# Altium PCB pcb.PcbDoc (part 1 of 2)
Units mil, origin at the board's own origin, x right, y up, seen from the top; angles counter-clockwise.
Board outline 1181.1 x 1968.5 mil, 4 copper layers (Top, Layer 2, Layer 3, Bottom), stack 33.234 mil thick; 97 components, 78 nets, 400 pads, 191 vias.
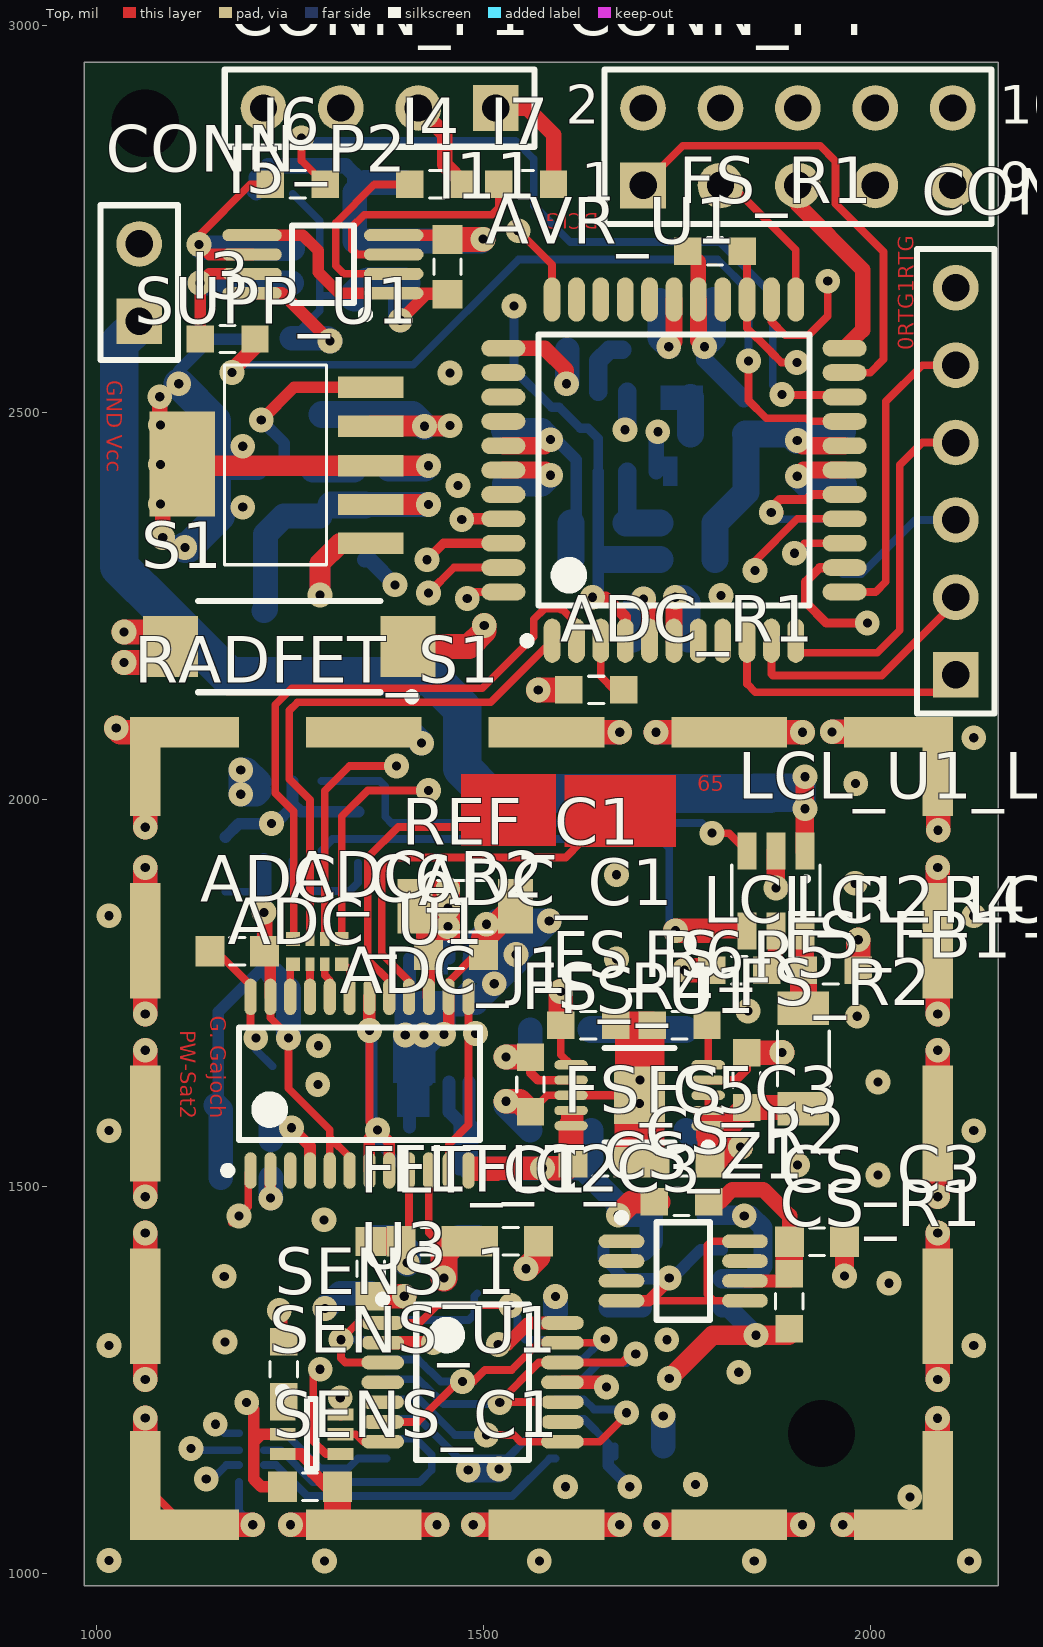
[diagram p0: Top view]
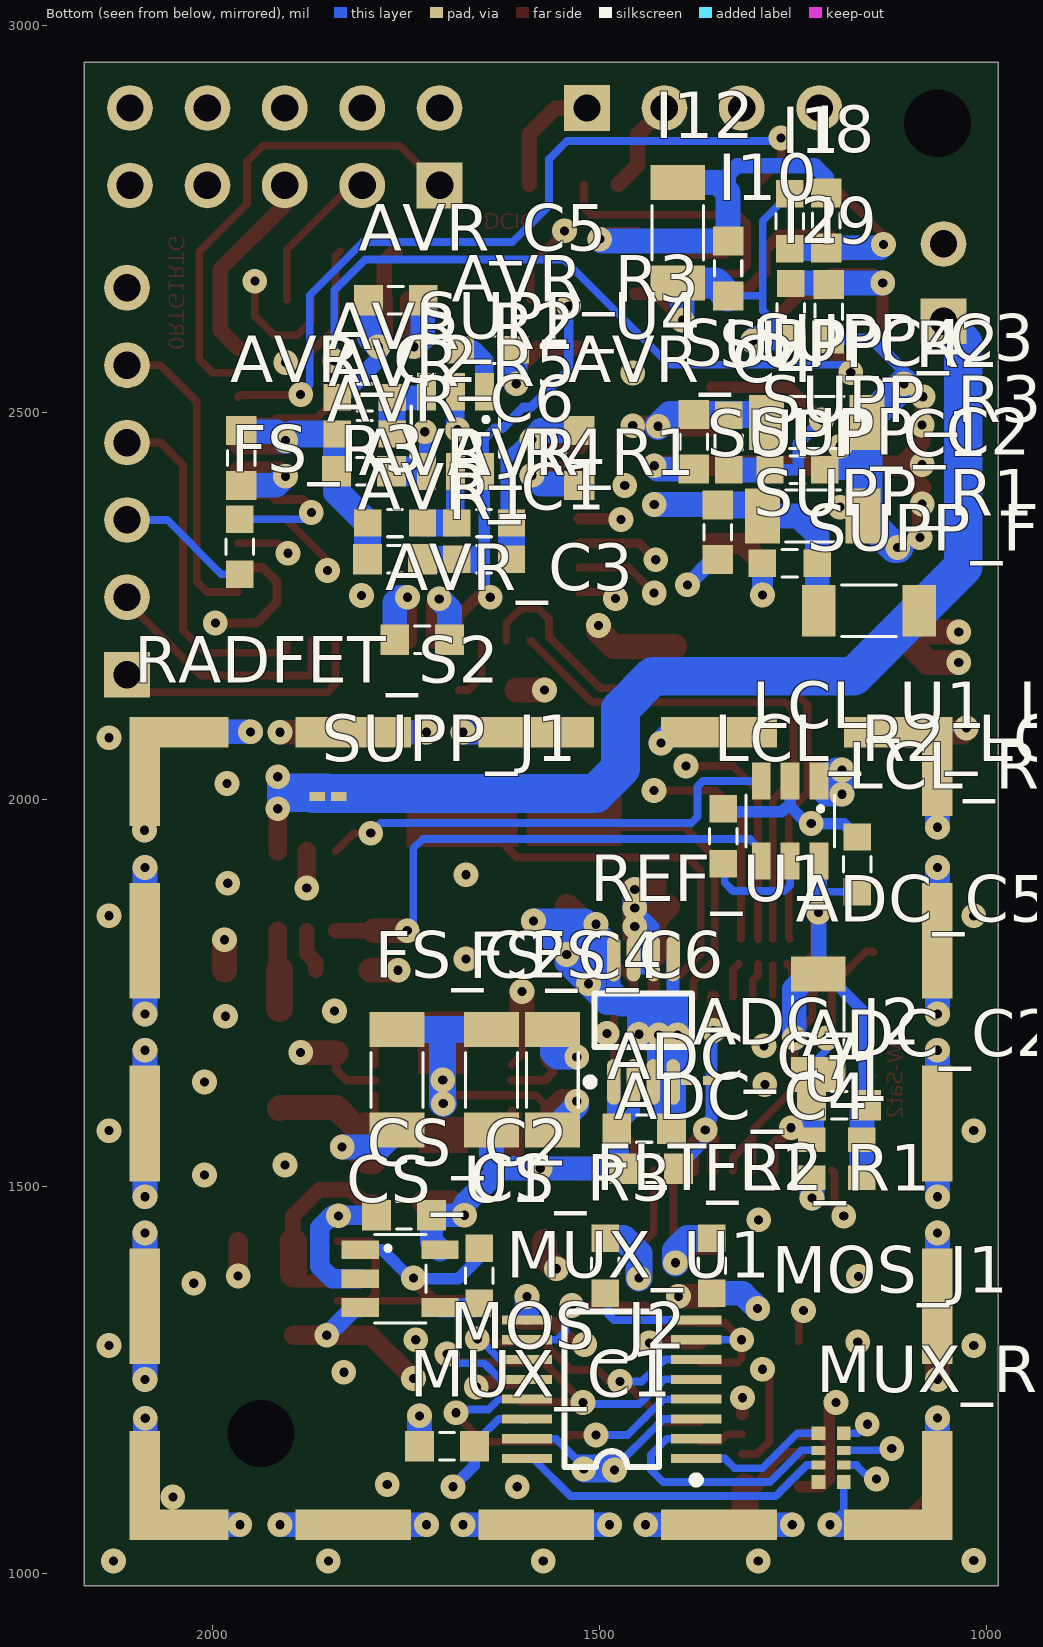
[diagram p1: Bottom view, seen from below]
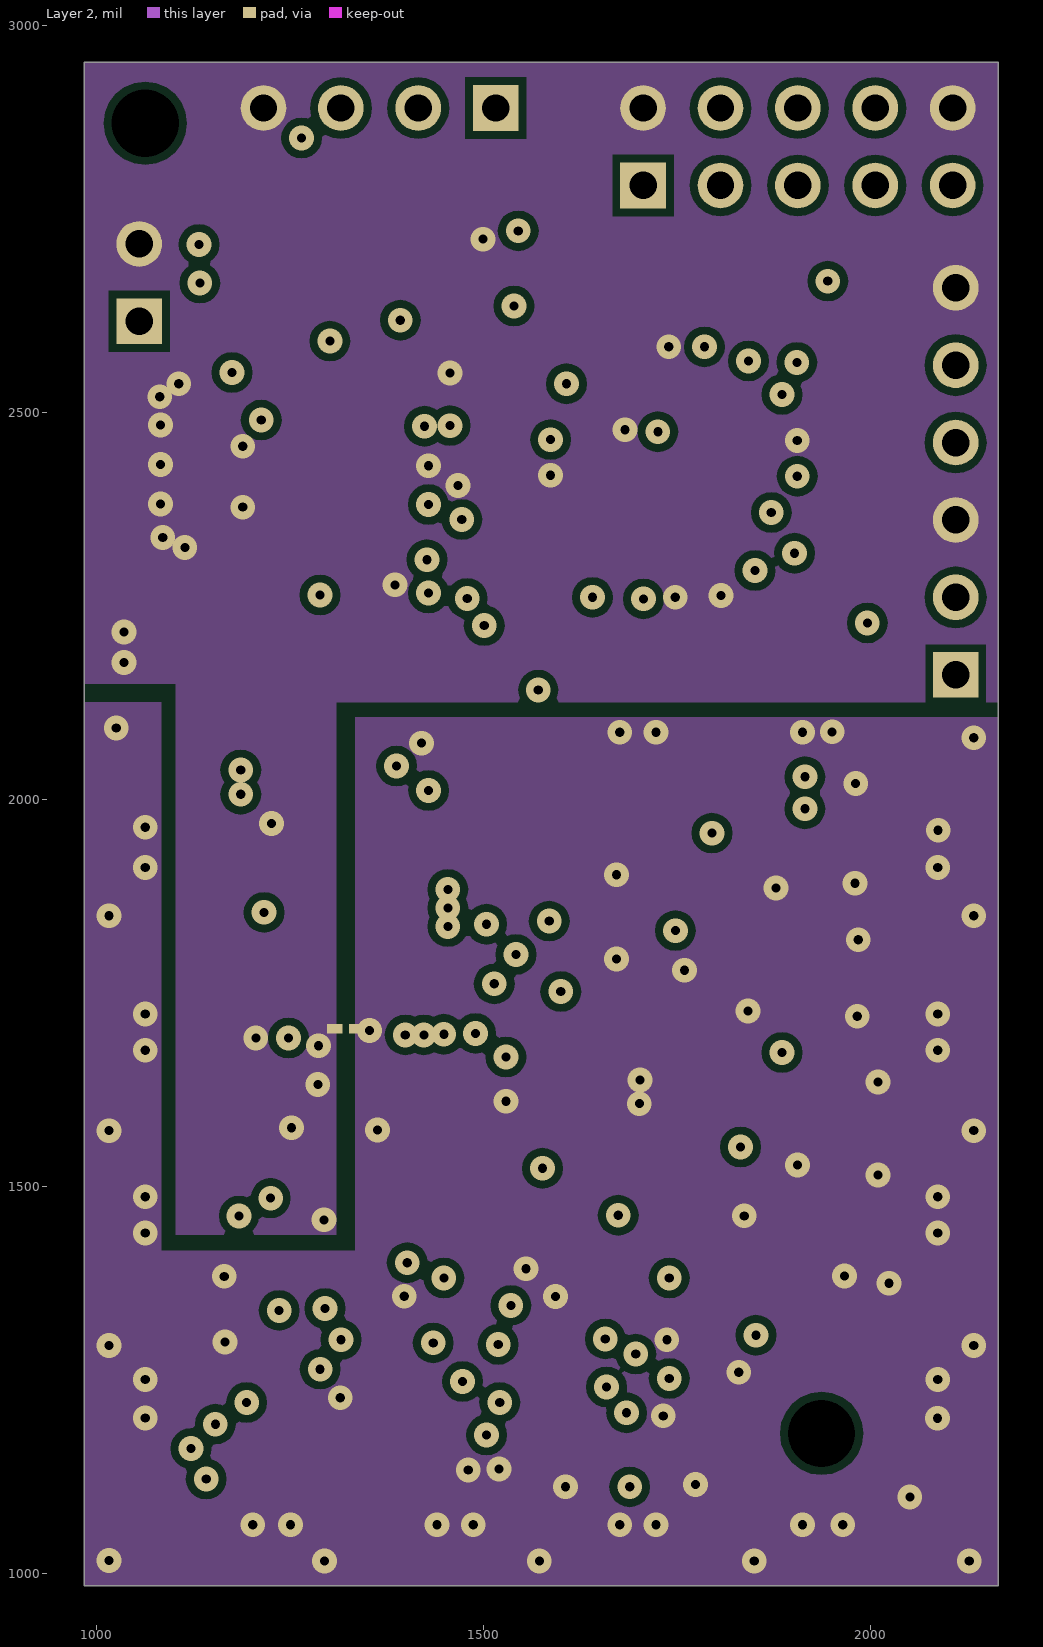
[diagram p2: Layer 2]
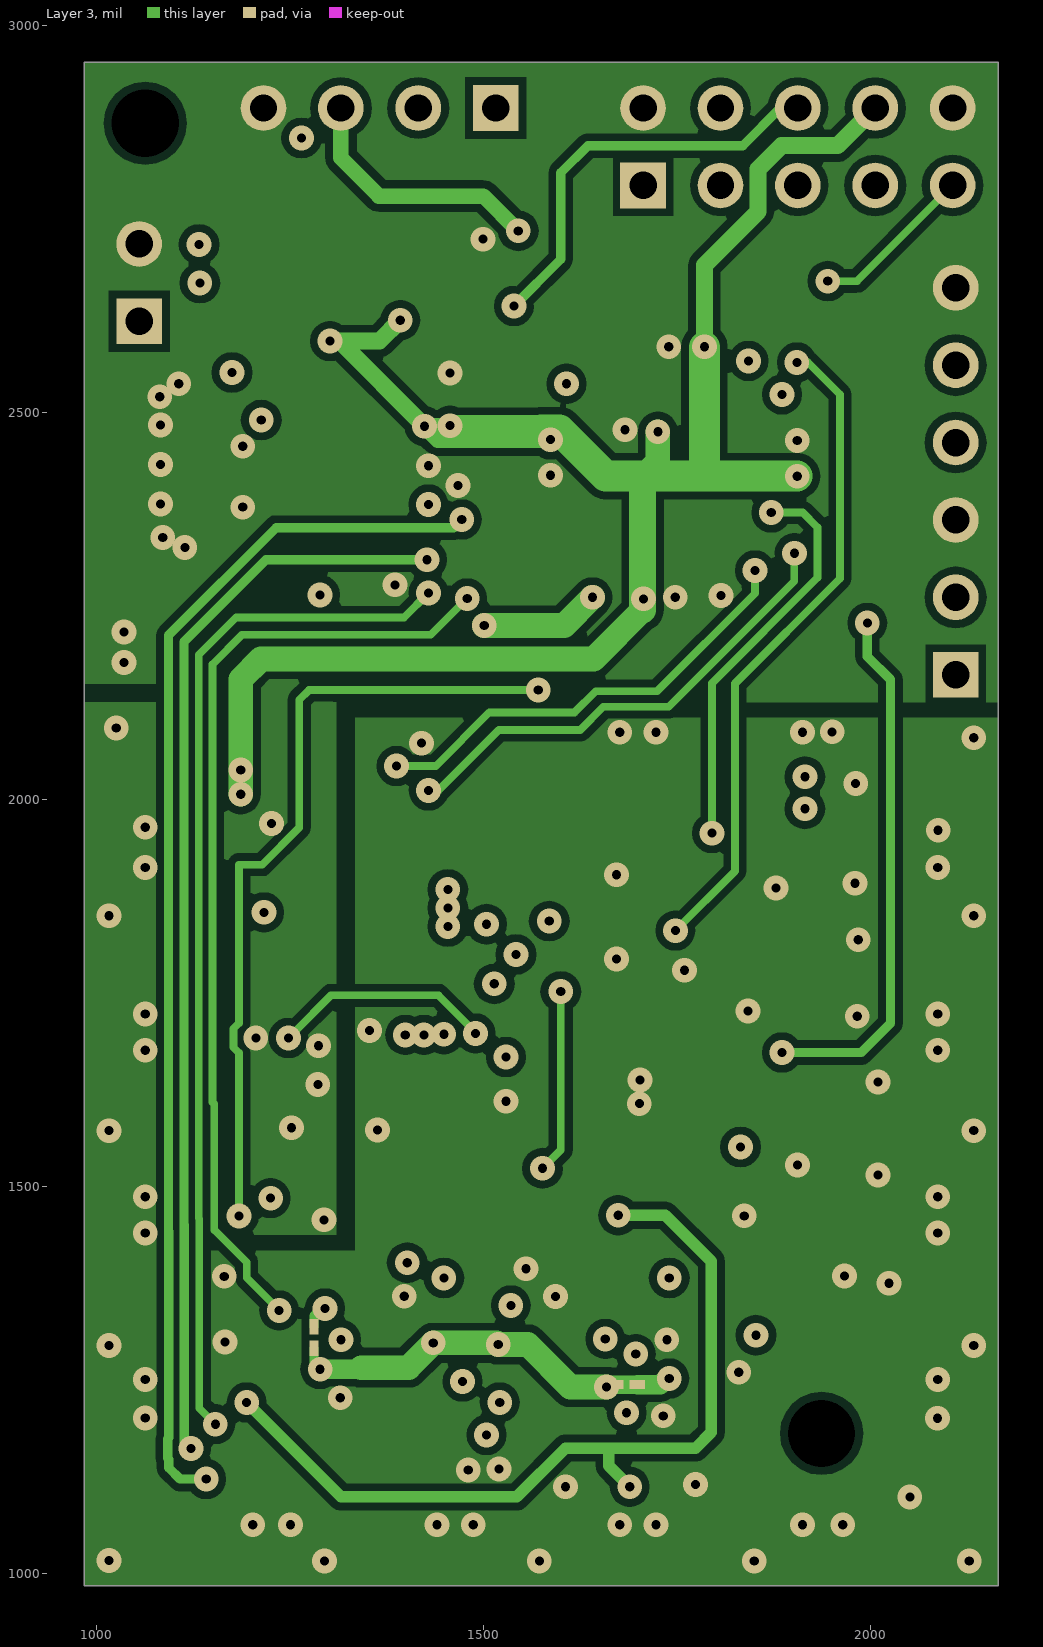
[diagram p3: Layer 3]
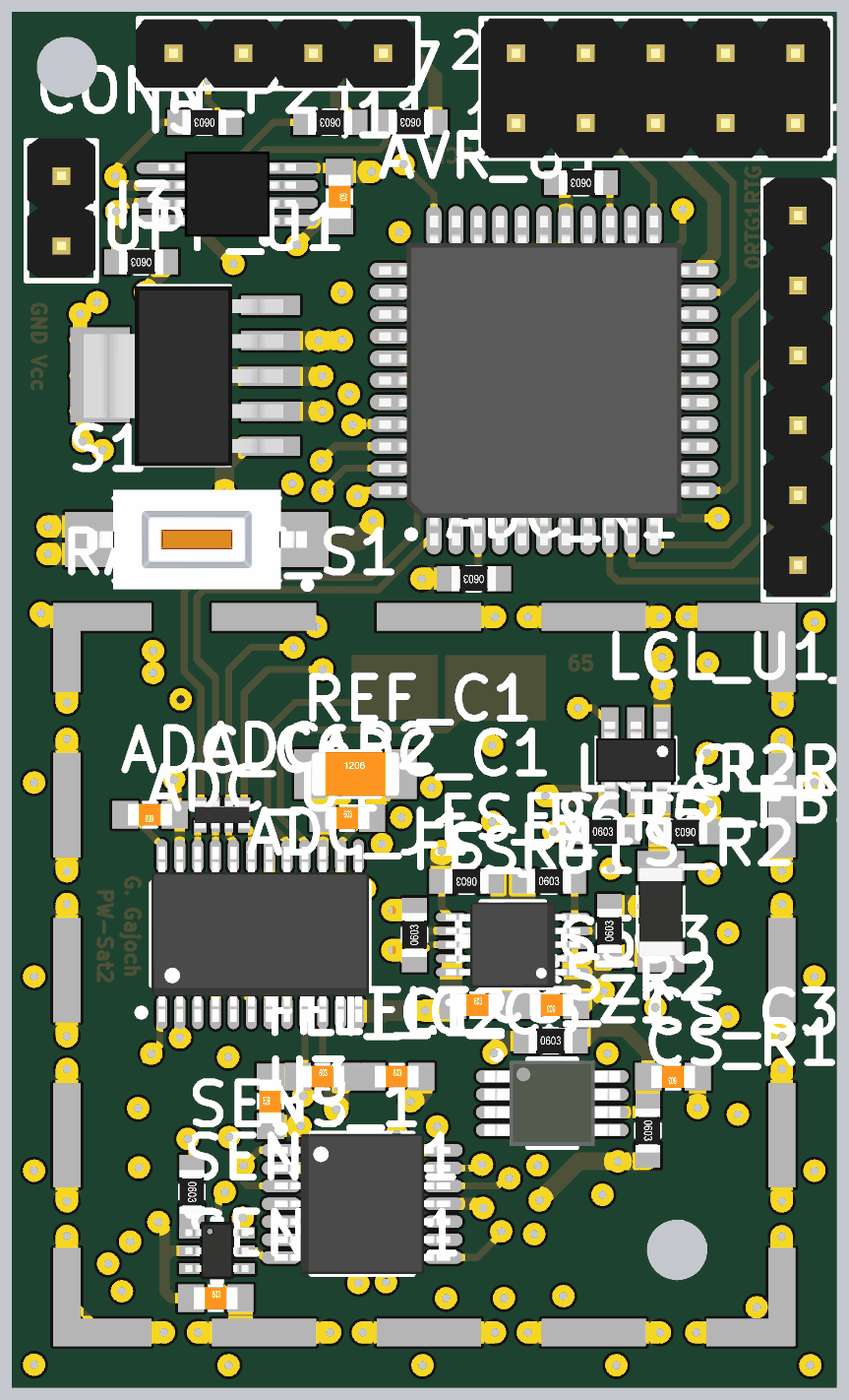
[diagram p5: 3D render of the assembled board from above, using the file's embedded part models]
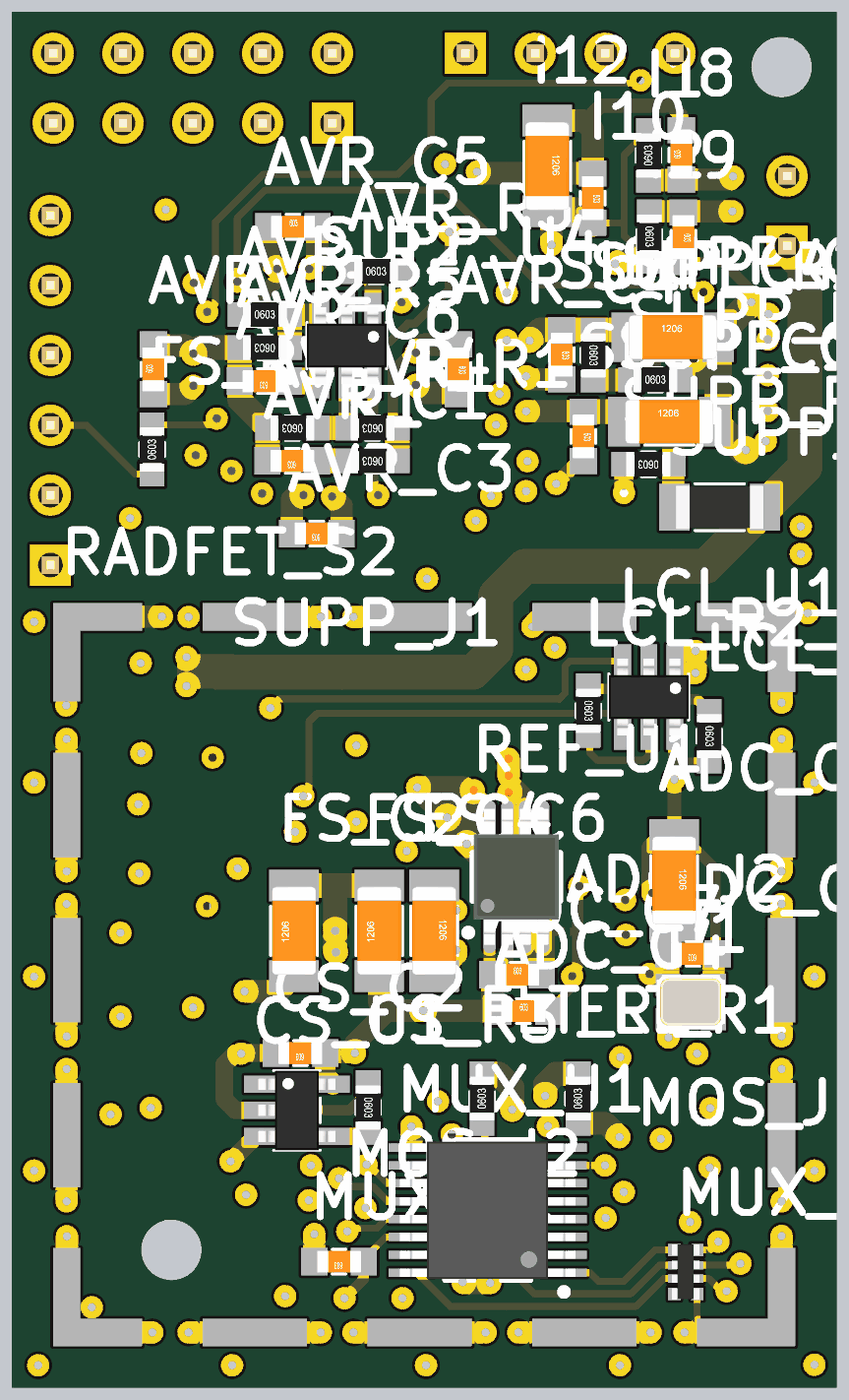
[diagram p6: 3D render of the assembled board from below, using the file's embedded part models]

## Layer stack, top to bottom
Top Solder: solder mask 0.4, Solder Resist, Dk 3.5
Top: signal copper 1.4
Dielectric 1: core 12.6, FR-4, Dk 4.8
Layer 2: signal copper 1.417
Dielectric 3: prepreg 5, Dk 4.2
Layer 3: signal copper 1.417
Dielectric 4: core 10, Dk 4.2
Bottom: signal copper 1.4
Bottom Solder: solder mask 0.4, Solder Resist, Dk 3.5

## Board outline
984.25,984.25 984.25,2952.76 2165.35,2952.76 2165.35,984.25

## Design rules (kind name [scope] priority, off if disabled: settings)
Clearance [All] p1: gap=8 except(6: SMDPad-SMDPad; 10: Arc-Poly Track-Poly SMDPad-Poly THPad-Poly Via-Poly Fill-Poly Poly-Poly Poly-Region Poly-Text)
ComponentClearance ComponentClearance_1 [HasFootprint('2way_LP')] p1: gap=0 collisioncheckmode=3 verticalgap=0 showdistances=FALSE
ComponentClearance [All] p2: gap=10 collisioncheckmode=3 verticalgap=10 showdistances=FALSE
MinimumSolderMaskSliver [All] p1 off: minsoldermaskwidth=10
PlaneConnect PlaneConnect_1 [InNet('ADC_P')] p1: planeconnectstyle=Direct reliefexpansion=20 reliefentries=4 reliefconductorwidth=10 reliefairgap=10
PlaneConnect [All] p2: planeconnectstyle=Relief reliefexpansion=20 reliefentries=4 reliefconductorwidth=10 reliefairgap=10
PolygonConnect PolygonConnect_1 [InNet('ADC_P')] p1: connectstyle=Direct reliefconductorwidth=10 reliefentries=4 polygonreliefangle="90 Angle" airgapwidth=10
PolygonConnect [All] p2: connectstyle=Direct reliefconductorwidth=10 reliefentries=4 polygonreliefangle="90 Angle" airgapwidth=10
RoutingVias [All] p1: holewidth=11.81 width=32 viastyle="Through Hole" minholewidth=11.81 minwidth=32 maxholewidth=11.81 maxwidth=32
ShortCircuit ShortCircuit_1 [IsFill] p1: allowed=TRUE
ShortCircuit [All] p2: allowed=FALSE
SilkToSilkClearance [All] p1 off: silktosilkclearance=10
SilkToSolderMaskClearance [IsPad] p1 off: minsilkscreentomaskgap=10 clearancetoexposedcopper=TRUE
SolderMaskExpansion [All] p1: expansion=4
Width [All] p1: maxlimit=100 minlimit=10 preferedwidth=100 minimp=50.000000 maximp=50.000000 favimp=50.000000
24 further rules are at their usual default settings.

## Classes and differential pairs
channel class LCL: "LCL 3V3d" "LCL 5Va"
component class "LCL 5Va": "LCL_R2_LCL 5Va" "LCL_R4_LCL 5Va" "LCL_U1_LCL 5Va"
component class "LCL 3V3d": "LCL_R2_LCL 3V3d" "LCL_R4_LCL 3V3d" "LCL_U1_LCL 3V3d"
component class RadFET: RADFET_S1 RADFET_S2
component class Filter: FLT_C1 FLT_C2 FLT_C3 FLT_C? FLT_R1 FLT_R2 FLT_R?
component class "Radfet Supply": FS_C2 FS_C3 FS_C4 FS_C5 FS_C6 FS_FB1 FS_R1 FS_R2 FS_R3 FS_R4 FS_R5 FS_R6 FS_U1
component class Supply: SUPP_C1 SUPP_C2 SUPP_C3 SUPP_C4 SUPP_FB2 SUPP_J1 SUPP_R1 SUPP_R2 SUPP_R3 SUPP_U1
component class MOSFET: MOS_J1 MOS_J2 SENS_1 SENS_C1 SENS_U1 U3
component class "I2C Repeater": I1 I2 I3 I4 I5 I6 I7 I8 I9 I10 I11 I12
component class connectors: CONN_P1 CONN_P2 CONN_P3 CONN_P4 S1
component class "Channel selector": MUX_C1 MUX_R1 MUX_U1
component class AVR: AVR_C1 AVR_C2 AVR_C3 AVR_C4 AVR_C5 AVR_C6 AVR_R1 AVR_R2 AVR_R3 AVR_R4 AVR_R5 AVR_U1 R1 SUPP_U4
component class ADC: ADC_C1 ADC_C2 ADC_C4 ADC_C5 ADC_C6 ADC_C7 ADC_J1 ADC_J2 ADC_R1 ADC_R2 ADC_U1 REF_C1 REF_U1 U1
component class "Current source": CS_C2 CS_C3 CS_R1 CS_R2 CS_R3 CS_U1 CS_Z1

## Components (designator, comment, footprint, x,y, rotation, side; value= is the part's Value field where it differs from the comment)
ADC_C1 "Cap" SMD_Capacitor_0603 1464.57,1799.21 r0 top
ADC_C2 "Cap" SMD_Capacitor_0603 1190,1605 r0 bottom
ADC_C4 "Cap" SMD_Capacitor_0603 1432.88,1522.95 r180 bottom
ADC_C5 "Cap" SMD_Capacitor_1206 1216.88,1709.95 r270 bottom
ADC_C6 "Cap" SMD_Capacitor_0603 1181.88,1803.95 r180 top
ADC_C7 "Cap" SMD_Capacitor_0603 1441.88,1574.95 r180 bottom
ADC_J1 "2 way net tie junction" 2way_LP#1 1322,1704 r180 top net-tie
ADC_J2 "2 way net tie junction" 2way_LP#2 1370,1637 r0 bottom net-tie
ADC_R1 "100R" SMD_Resistor_0603 1645.67,2141.73 r180 top
ADC_R2 "YC124-JR-072K2L" SMD_RESISTOR_ARRAY_YC124 1253.88,1819.95 r0 top
ADC_U1 "AD7714YRZ" TSSOP-24-RU-24-N 1339.88,1632.95 r90 top
AVR_C1 "100n/50V" SMD_Capacitor_0603 1763.8,2310.44 r0 bottom
AVR_C2 "100n/50V" SMD_Capacitor_0603 1962.8,2441.44 r90 bottom
AVR_C3 "100n/50V" SMD_Capacitor_0603 1728.8,2206.44 r0 bottom
AVR_C4 "100n/50V" SMD_Capacitor_0603 1525.8,2441.44 r270 bottom
AVR_C5 "100n/50V" SMD_Capacitor_0603 1762.8,2645.44 r180 bottom
AVR_C6 "100n/50V" SMD_Capacitor_0603 1803.8,2424.44 r0 bottom
AVR_R1 "100R" SMD_Resistor_0603 1648.8,2357.44 r0 bottom
AVR_R2 "100R" SMD_Resistor_0603 1803.15,2519.68 r180 bottom
AVR_R3 "100R" SMD_Resistor_0603 1643.8,2581.44 r180 bottom
AVR_R4 "100R" SMD_Resistor_0603 1763.8,2357.44 r0 bottom
AVR_R5 "100R" SMD_Resistor_0603 1803.15,2472.44 r0 bottom
AVR_U1 "ATMEGA164PV-10AQ" TQFP-44 1746.37,2425.44 r90 top locked
CONN_P1 "Header 4" "HEADER 1x4 MALE" 1515.75,2893.7 r180 top
CONN_P2 "Header 2" "HEADER 1X2 Male" 1055.12,2618.11 r90 top
CONN_P3 "Header 6" "HEADER 1X6 MALE" 2110.24,2161.42 r90 top
CONN_P4 "Header 5X2" "HEADER 2X5 MALE" 1706.3,2793.7 r0 top
CS_C2 "Cap" SMD_Capacitor_0603 1752.16,1462.89 r0 bottom
CS_C3 "Cap" SMD_Capacitor_0603 1931.16,1428.89 r180 top
CS_R1 "12k/0.01%/5 PPM" SMD_Resistor_0603 1895.16,1351.89 r270 top
CS_R2 "10k" SMD_Resistor_0603 1755.91,1480.32 r0 top
CS_R3 "20k" SMD_Resistor_0603 1655.16,1384.89 r270 bottom
CS_U1 "LTC2054" SOT23-5 1757.16,1380.89 r180 bottom
CS_Z1 "1.25V" MSOP-8 1758.16,1390.89 r0 top
FLT_C1 "Cap" SMD_Capacitor_0603 1354.33,1393.7 r90 top
FLT_C2 "Cap" SMD_Capacitor_0603 1429.13,1429.13 r0 top
FLT_C3 "Cap" SMD_Capacitor_0603 1535.43,1429.13 r0 top
FLT_R1 "1k" SMD_Resistor_0603 1354.33,1397.64 r90 bottom
FLT_R2 "1k" SMD_Resistor_0603 1492.13,1397.64 r90 bottom
FS_C2 "Cap" SMD_Capacitor_1206 1761.32,1637.8 r90 bottom
FS_C3 "Cap" SMD_Capacitor_0603 1757.39,1531.5 r180 top
FS_C4 "Cap" SMD_Capacitor_1206 1639.28,1637.8 r90 bottom